# Altium PCB 应变片击打感应模块（串联版）.PcbDoc
Units mil, origin at the board's own origin, x right, y up, seen from the top; angles counter-clockwise.
Board outline 2145 x 2375 mil, 2 copper layers (Top Layer, Bottom Layer); 36 components, 20 nets, 102 pads, 292 vias.
Unrouted connection lines stored in the file: 18.
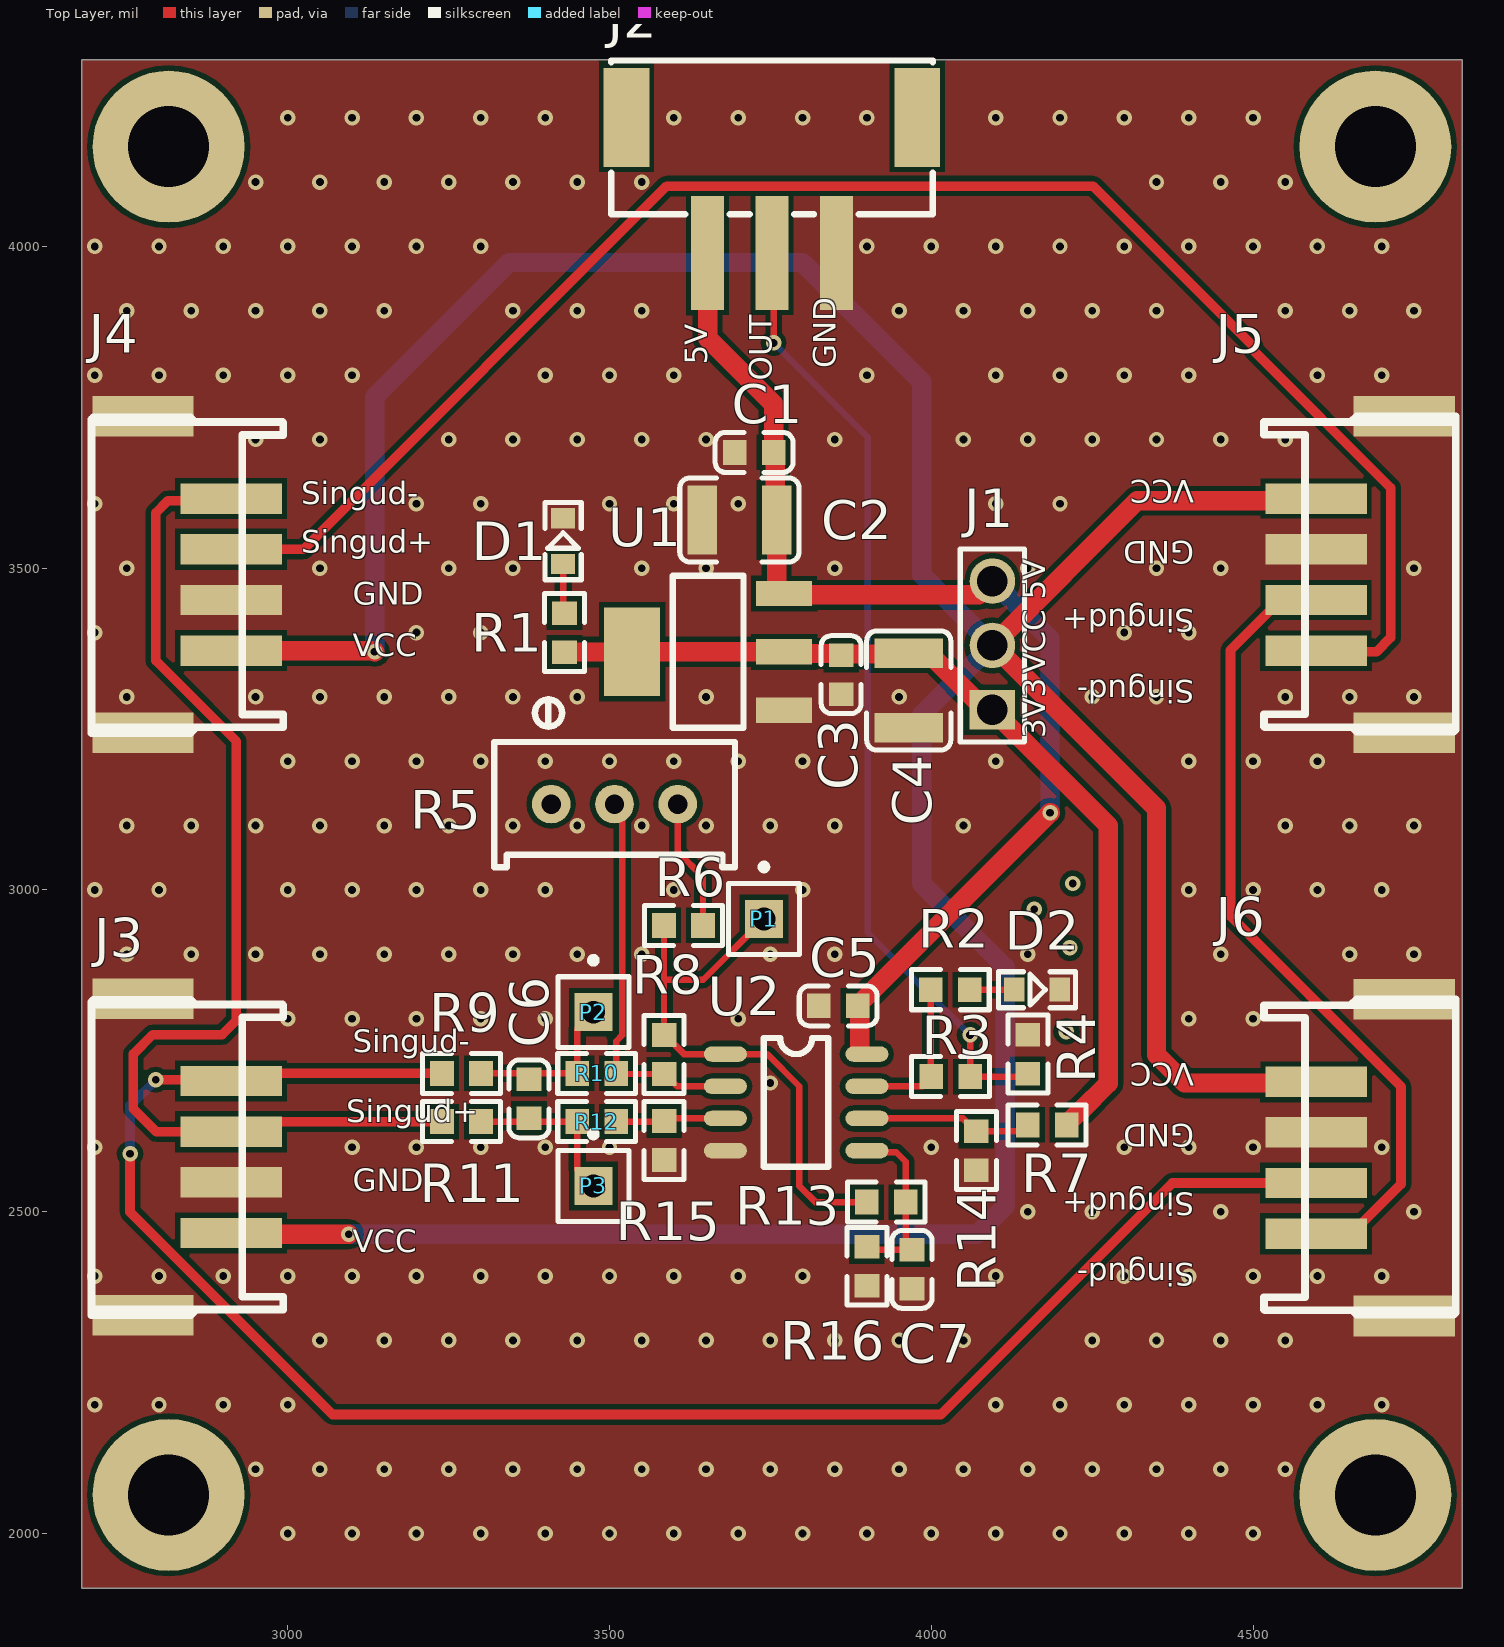
[diagram p0: Top Layer view]
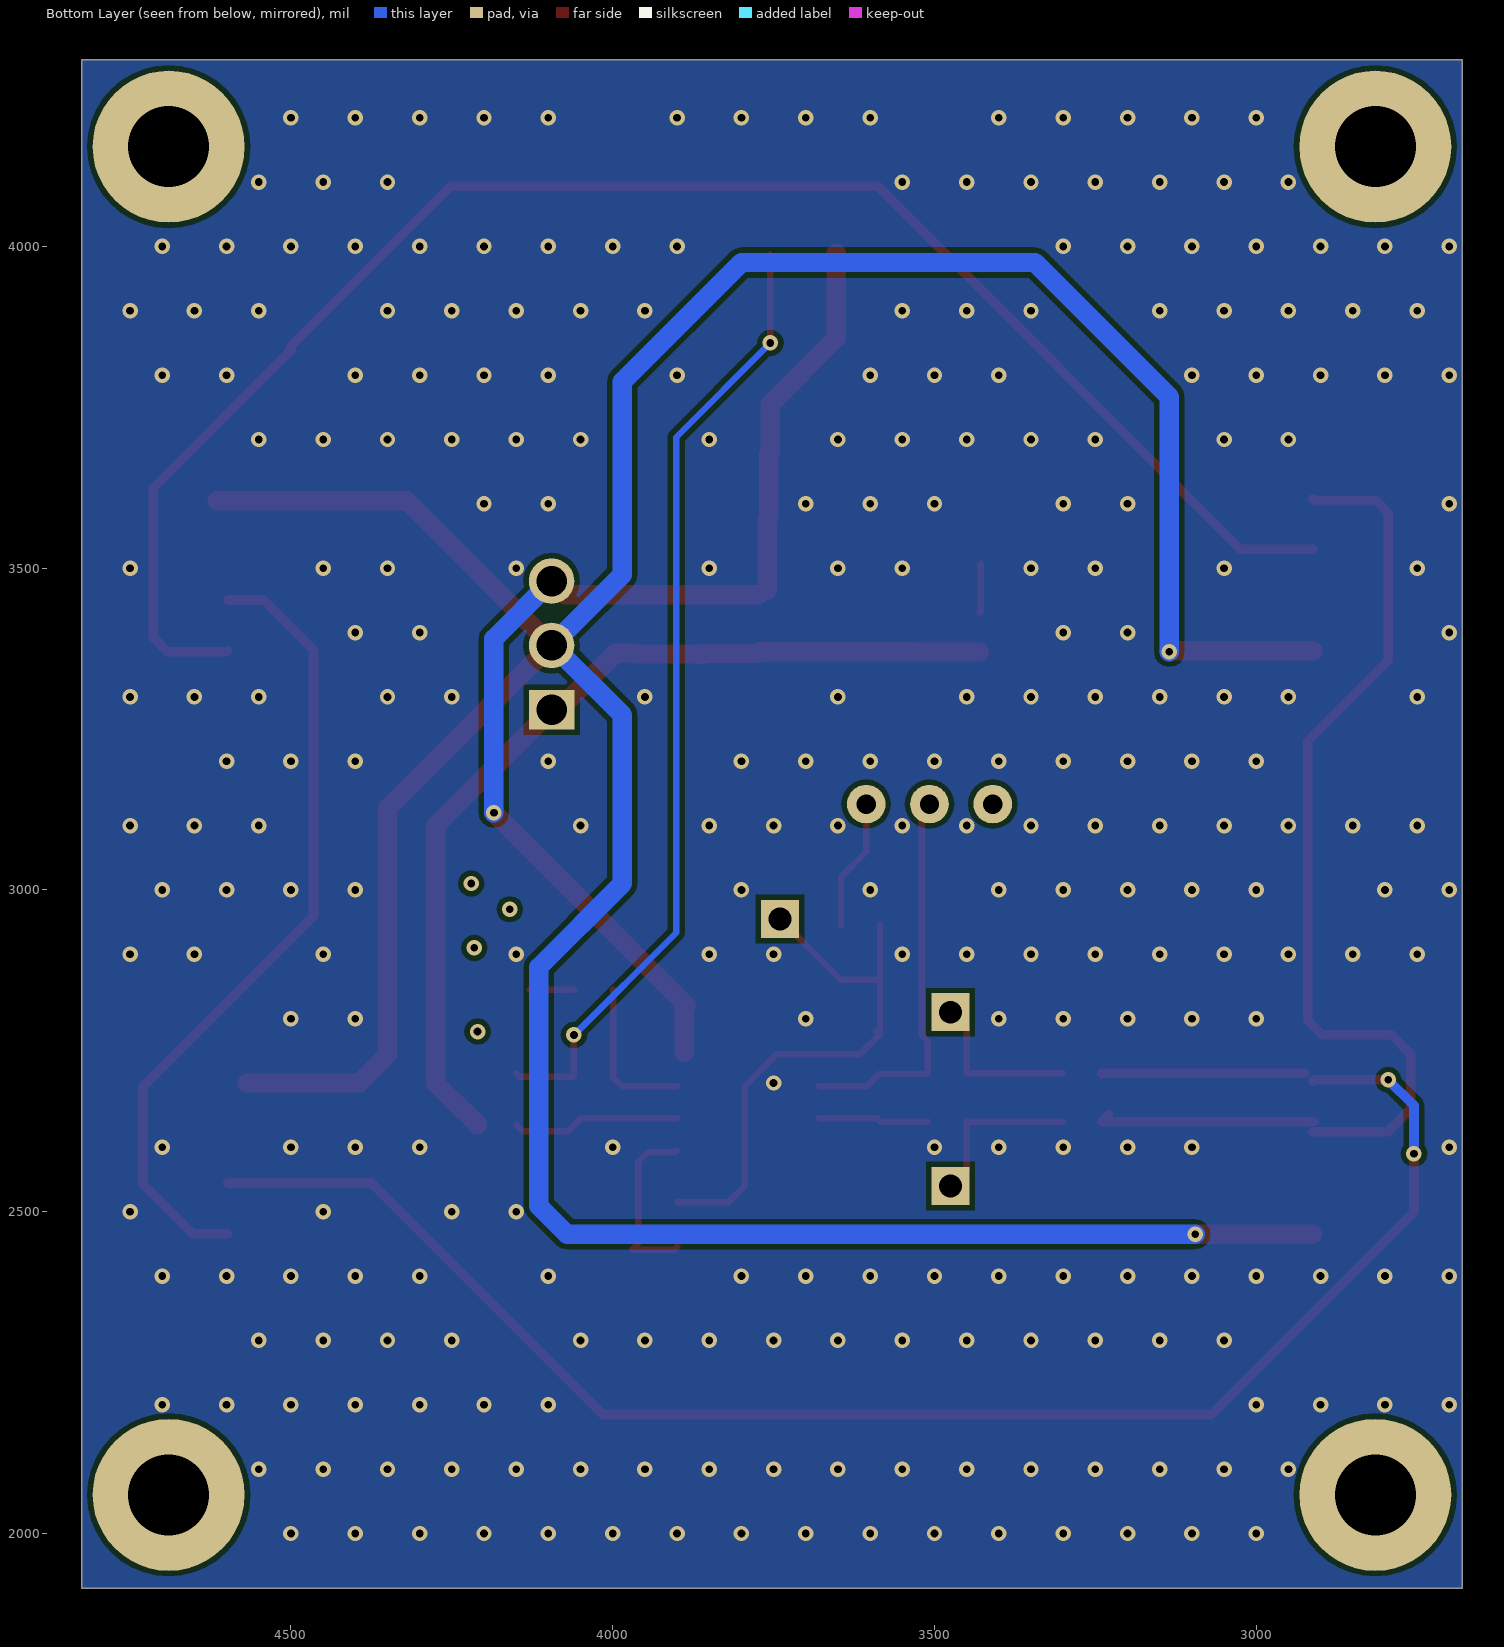
[diagram p1: Bottom Layer view, seen from below]
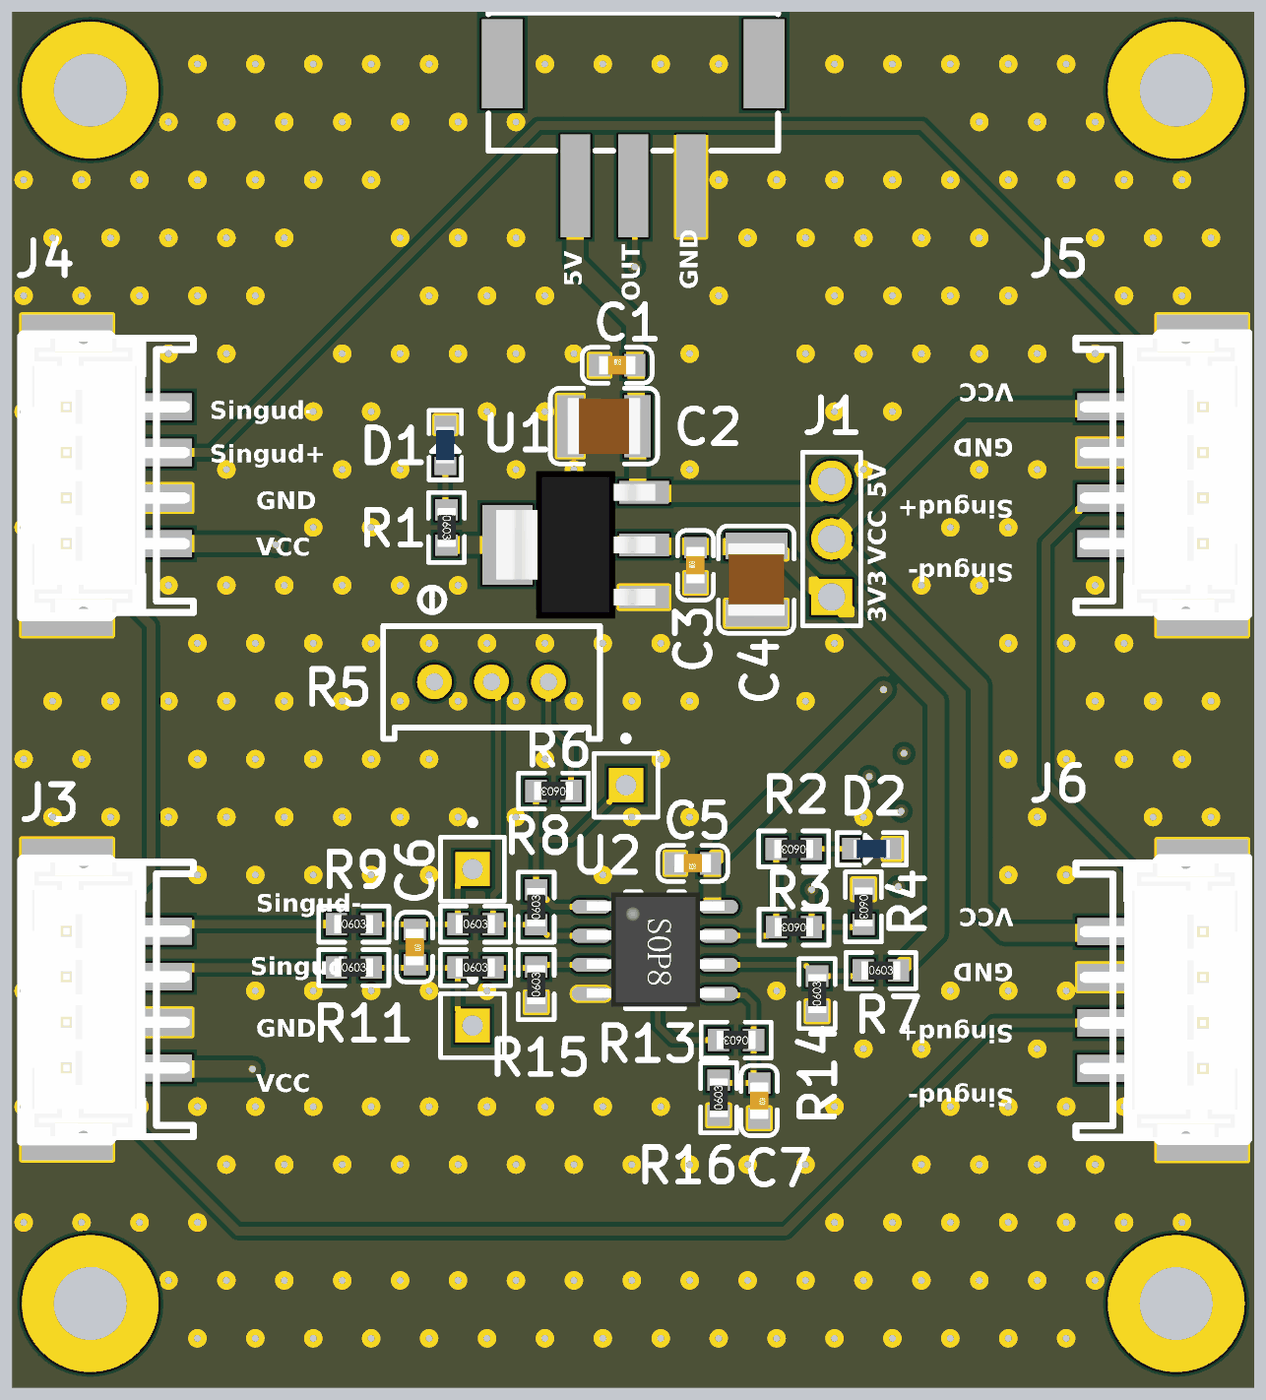
[diagram p2: 3D render of the assembled board from above, using the file's embedded part models]

## Layer stack, top to bottom
Top Solder: solder mask 0.4, Solder Resist, Dk 3.5
Top Layer: signal copper 1.4
Dielectric 1: dielectric 12.6, FR-4, Dk 4.8
Bottom Layer: signal copper 1.4
Bottom Solder: solder mask 0.4, Solder Resist, Dk 3.5

## Board outline
2680,1915 2680,4290 4825,4290 4825,1915

## Design rules (kind name [scope] priority, off if disabled: settings)
Clearance [All] p1: gap=8 ignorepadtopadclearanceinfootprint=FALSE
PlaneConnect [All] p1: planeconnectstyle=Direct reliefexpansion=20 reliefentries=4 reliefconductorwidth=10 reliefairgap=10
PolygonConnect [All] p1: connectstyle=Direct reliefconductorwidth=10 reliefentries=4 polygonreliefangle="90 Angle" airgapwidth=10
RoomDefinition 应变片击打感应1 [InComponentClass('应变片击打感应1')] p1: confinementstyle=ConfineIn formatcopy=TRUE lockcomponents=FALSE outline 0,0 2000,0 2000,1000 0,1000
RoutingVias [All] p1: holewidth=28 width=50 viastyle="Through Hole" minholewidth=28 minwidth=50 maxholewidth=28 maxwidth=50
SolderMaskExpansion [All] p1: expansion=4 istentingtop=FALSE
Width [All] p1: maxlimit=100 minlimit=8 preferedwidth=10
29 further rules are at their usual default settings.

## Components (designator, comment, footprint, x,y, rotation, side; value= is the part's Value field where it differs from the comment)
C1 "10uF" 0603_C 3725,3680 r0 top
C2 "10uF" 1210_C 3701.93,3575 r0 top
C3 "10uF" 0603_C 3860,3335 r90 top
C4 "10uF" 1210_C 3965,3310 r90 top
C5 "100nF" 0603_C 3855,2820 r180 top
C6 "?uF" 0603_C 3375,2675 r270 top
C7 "?uF" 0603_C 3970,2410 r270 top
D1 "LED0" LED-0603 3430,3540 r90 top
D2 "LED0" LED-0603 4162.25,2843 r0 top
J1 "HEADER1x3" "排针排母 3P 2.54mm" 4095,3380 r90 top
J2 "PH 3P" "XH 3P 2.54mm 立 贴" 3752.5,4095 r0 top
J3 "HEADER1x4" "PH 4P 2mm 卧 贴" 2880,2585 r90 top
J4 "HEADER1x4" "PH 4P 2mm 卧 贴" 2880,3490 r90 top
J5 "HEADER1x4" "PH 4P 2mm 卧 贴" 4630,3490 r270 top
J6 "HEADER1x4" "PH 4P 2mm 卧 贴" 4630,2583.97 r270 top
P1 "Plug" PIN1 3740,2955 r0 top
P2 "Plug" PIN1 3475,2810 r0 top
P3 "Plug" PIN1 3475,2540 r0 top
R1 "1K" 0603_R 3430,3400 r270 top
R2 "1K" 0603_R 4029.69,2845 r180 top
R3 "1K" 0603_R 4030,2710 r180 top
R4 "3K" 0603_R 4150,2745 r270 top
R5 "20K" 3296X 3505,3135 r90 top
R6 "100K" 0603_R 3615,2945 r180 top
R7 "1K" 0603_R 4180,2635 r0 top
R8 "348K" 0603_R 3585,2744.33 r90 top
R9 "100R" 0603_R 3270,2715 r0 top
R10 "1K" 0603_R 3480,2715 r0 top
R11 "100R" 0603_R 3270,2640 r0 top
R12 "1K" 0603_R 3480,2640 r0 top
R13 "60R" 0603_R 3930,2515 r180 top
R14 "1K" 0603_R 4070,2595 r90 top
R15 "750K" 0603_R 3585,2610.67 r90 top
R16 "1K" 0603_R 3900,2415.31 r90 top
U1 "AMS1117" AMS1117 3514.11,3496 r270 top
U2 "LM358" SOP-8 3681,2746 r0 top

## Footprints (in the part's own frame and the unit in brackets; to place one, negate y for a bottom-side part, rotate by r counter-clockwise, add the part's x,y. Pads: shape width x height; smd on the part's side, far side on the other; paste and mask are expansions set on the pad)
0603_C [mm] "SMD, 0603"
  rect 0.93x0.98 smd: 1(-0.778,0) 2(0.762,0)
  silkscreen extent -1.54,-0.79 1.53,0.79, body extent -0.81,-0.4 0.79,0.4, height 0.3
0603_R [mm] "SMD, 0603"
  rect 0.93x0.98 smd: 1(-0.77,0) 2(0.77,0)
  silkscreen extent -1.53,-0.79 1.54,0.79, body extent -0.85,-0.4 0.85,0.4, height 0.56
1210_C [mm] "SMD, 1210"
  rect 1.16x2.72 smd: 1(-1.475,0) 2(1.475,0)
  silkscreen extent -2.35,-1.66 2.36,1.66, body extent -1.6,-1.25 1.6,1.25, height 1.3
3296X [mil]
  round 60 hole 30: 1(-1.57,95.64) 2(-1.57,-2.78) 3(-1.57,-101.21)
  silkscreen extent -100,-190 161,184
AMS1117 [mm]
  rect 1x2.2 smd: 1(5.5,6.531) 2(3.2,6.531) 3(0.9,6.531)
  rect 3.5x2.2 smd: 2(3.2,0.531)
  silkscreen extent 0.2,2.13 6.2,4.93, body extent -0.04,0.04 6.44,7.02, height 1.64
LED-0603 [mm]
  rect 0.8x0.95 smd: 1(-0.849,0.051) 2(0.951,0.051)
  silkscreen extent -1.47,-0.66 1.57,0.76, body extent -0.75,-0.34 0.85,0.46, height 0.8
"PH 4P 2mm 卧 贴" [mm]
  rect 1.6x4 smd: 0(-6.248,2.667) 0(6.248,2.667)
  rect 1.2x4 smd: 1(-3,-0.813) 2(-1,-0.813) 3(1,-0.813) 4(3,-0.813)
  silkscreen extent -6.25,-2.87 6.2,4.7, body extent -6,-2.7 6,4.7, height 6.5
PIN1 [mm] "Connector; Plug"
  rect 1.5x1.5 hole 0.9: 1(0,0)
  silkscreen extent -1.4,-1.4 1.4,2.17
SOP-8 [mil]
  oval 66.93x24 smd: 1(-1,-1) 2(-1,-51) 3(-1,-101) 4(-1,-151) 5(219,-151) 6(219,-101) 7(219,-51) 8(219,-1)
  silkscreen extent 59,-176 159,24, body extent -9,-174 229,24, height 63
"XH 3P 2.54mm 立 贴" [mm]
  rect 1.3x4.5 smd: 1(-2.54,-2.675) 2(0,-2.675) 3(2.54,-2.675)
  rect 1.8x3.9 smd: 4(-5.741,2.675) 5(5.741,2.675)
  silkscreen extent -6.35,-1.13 6.35,4.93
"排针排母 3P 2.54mm" [mm]
  rect 1.575x1.8 hole 1.2: 1(-2.54,0)
  round 1.8 hole 1.2: 2(0,0) 3(2.54,0)
  silkscreen extent -3.81,-1.27 3.81,1.27

## Part data
C1 C2 C3 C4 C5 C6 C7: library part Cap, LatestRevisionDate=17-Jul-2002, LatestRevisionNote="Re-released for DXP Platform.", PackageReference=RAD-0.3, Published=8-Jun-2000, Publisher="Altium Limited"
R1 R2 R3 R4 R6 R7 R8 R9 R10 R11 R12 R13 R14 R15 R16: library part Res, LatestRevisionDate=17-Jul-2002, LatestRevisionNote="Re-released for DXP Platform.", PackageReference=AXIAL-0.4, Published=8-Jun-2000, Publisher="Altium Limited"
R5: library part 精密可调电阻20K
U1: "线性稳压3.3V-5V 1A"
U2: BOM_Manufacturer="BLUE ROCKET", BOM_Manufacturer Part=LM358, BOM_Supplier=LCSC, BOM_Supplier Part=C328566, Contributor=LCSC, spicePre=U, spiceSymbolName=LM358
D1 D2: LatestRevisionDate=08-Jul-2005, LatestRevisionNote="Mech Layer 1 removed.", PackageReference=LED-0, Published=8-Jun-2000, Publisher="Altium Limited"
P1 P2 P3: LatestRevisionDate=17-Jul-2002, LatestRevisionNote="Re-released for DXP Platform.", Publisher="Altium Limited"

## Free pads (board coordinates)
  round 236.22 hole 125.98: 2(2815,2060) 2(2815,4155) 2(4690,2060) 2(4690,4155)

## Via types
v1: diameter 24, hole 12, Top Layer to Bottom Layer, 292 vias

## Nets (pads, with @x,y where several pads share a name; then routed paths per layer and width w, separated by ;. In a path a pad name is that pad's centre, name@x,y a point inside that pad or via, vN(x,y) a via of type N, cw(c..) or ccw(c..) an arc to the next point about the centre after c; other vN are vias at no path point)
GND: C1.1 C2.1 C3.1 C4.1 C5.2 C7.2 D1.2 D2.2 J2.3 J3.0 J3.2 J4.0 J4.2 J5.0 J5.2 J6.0 J6.2 R4.1 R14.1 R15.1 R16.1 U1.1 U2.4
  other v1: 3000,2000 3100,2000 3200,2000 3300,2000 3400,2000 3500,2000 3600,2000 3700,2000 3800,2000 3900,2000 4000,2000 4100,2000 4200,2000 4300,2000 4400,2000 4500,2000 2950,2100 3050,2100 3150,2100 3250,2100 3350,2100 3450,2100 3550,2100 3650,2100 3750,2100 3850,2100 3950,2100 4050,2100 4150,2100 4250,2100 4350,2100 4450,2100 4550,2100 2700,2200 2800,2200 2900,2200 3000,2200 4100,2200 4200,2200 4300,2200 4400,2200 4500,2200 4600,2200 4700,2200 3050,2300 3150,2300 3250,2300 3350,2300 3450,2300 3550,2300 3650,2300 3750,2300 3850,2300 3950,2300 4050,2300 4250,2300 4350,2300 4450,2300 4550,2300 2700,2400 2800,2400 2900,2400 3000,2400 3100,2400 3200,2400 3300,2400 3400,2400 3500,2400 3600,2400 3700,2400 3800,2400 4100,2400 4300,2400 4400,2400 4500,2400 4600,2400 4700,2400 4150,2500 4250,2500 4450,2500 4750,2500 2700,2600 3100,2600 3200,2600 3300,2600 3400,2600 3500,2600 4000,2600 4300,2600 4400,2600 4500,2600 4700,2600 3750,2700 3000,2800 3100,2800 3200,2800 3300,2800 3400,2800 3700,2800 4400,2800 4500,2800 2750,2900 2850,2900 2950,2900 3050,2900 3150,2900 3250,2900 3350,2900 3450,2900 3550,2900 3750,2900 3850,2900 4150,2900 4450,2900 4650,2900 4750,2900 2700,3000 2800,3000 3000,3000 3100,3000 3200,3000 3300,3000 3400,3000 3600,3000 3800,3000 4400,3000 4500,3000 4600,3000 4700,3000 2750,3100 2850,3100 2950,3100 3050,3100 3150,3100 3250,3100 3350,3100 3450,3100 3550,3100 3650,3100 3750,3100 3850,3100 4050,3100 4550,3100 4650,3100 4750,3100 3000,3200 3100,3200 3200,3200 3300,3200 3400,3200 3500,3200 3600,3200 3700,3200 3800,3200 4100,3200 4400,3200 4500,3200 4600,3200 2750,3300 2950,3300 3050,3300 3150,3300 3250,3300 3350,3300 3450,3300 3650,3300 3950,3300 4250,3300 4350,3300 4550,3300 4650,3300 4750,3300 2700,3400 3200,3400 3300,3400 4300,3400 4400,3400 2750,3500 3050,3500 3250,3500 3350,3500 3550,3500 3650,3500 3850,3500 4150,3500 4350,3500 4450,3500 4750,3500 2700,3600 3200,3600 3300,3600 3500,3600 3600,3600 3700,3600 4100,3600 4200,3600 2950,3700 3050,3700 3250,3700 3350,3700 3450,3700 3550,3700 3650,3700 3850,3700 4050,3700 4150,3700 4250,3700 4350,3700 4450,3700 4550,3700 2700,3800 2800,3800 2900,3800 3000,3800 3100,3800 3400,3800 3500,3800 3600,3800 3900,3800 4100,3800 4200,3800 4300,3800 4400,3800 4600,3800 4700,3800 2750,3900 2850,3900 2950,3900 3050,3900 3150,3900 3350,3900 3450,3900 3550,3900 3950,3900 4050,3900 4150,3900 4250,3900 4350,3900 4550,3900 4650,3900 4750,3900 2700,4000 2800,4000 2900,4000 3000,4000 3100,4000 3200,4000 3300,4000 3900,4000 4000,4000 4100,4000 4200,4000 4300,4000 4400,4000 4500,4000 4600,4000 4700,4000 2950,4100 3050,4100 3150,4100 3250,4100 3350,4100 3450,4100 3550,4100 4350,4100 4450,4100 4550,4100 3000,4200 3100,4200 3200,4200 3300,4200 3400,4200 3600,4200 3700,4200 3800,4200 3900,4200 4100,4200 4200,4200 4300,4200 4400,4200 4500,4200
NetC6_1: C6.1 P2.1 R9.2 R10.1 | length 219.1
  Top Layer w10: R9.2 R10.1 P2.1@3449.69,2784.69
NetC6_2: C6.2 P3.1 R11.2 R12.1 | length 259.9
  Top Layer w10: R11.2 R12.1 3449.69,2565.31 P3.1
NetC7_1: C7.1 R13.1 R16.2 U2.5 | length 280.6
  Top Layer w10: R16.2 3905,2440.63 C7.1 3960.31,2450.32 R13.1 3960.31,2577.68 3945.67,2592.32 3902.68,2592.32 U2.5
NetD1_1: D1.1 R1.1 | length 77.1
  Top Layer w10: D1.1 3428,3432.31 R1.1
NetD2_1: D2.1 R2.1 | length 68.8
  Top Layer w10: R2.1 D2.1
NetJ4_3: J4.3 J5.4 | length 2592.2
  Top Layer w15: J4.3 3024.37,3529.37 3588.77,4093.77 4251.23,4093.77 4499.92,3845.08 4499.92,3838.92 4713.84,3625 4713.84,3391.97 4691.88,3370 4599.89,3370 J5.4
NetJ5_3: J5.3 J6.4 | length 1268.9
  Top Layer w15: J6.4 4653.12,2465.85 4730,2542.74 4730,2694.36 4588.3,2836.06 4465,2959.36 4465,3372.75 4542.88,3450.63 J5.3
NetR5_2: R5.2 R8.1 R10.2 U2.2 | length 600.2
  Top Layer w10: R5.2@3519.53,3133.43 3519.53,2774.26 3510.32,2765.05 R10.2 3511.3,2714.02 R8.1 3585.98,2714.02 3605,2695 U2.2
NetR5_3: R5.3 R6.1 | length 204.6
  Top Layer w10: R5.3 3606.21,3059.15 3645.31,3020.04 R6.1
NetR7_1: R7.1 R14.2 U2.6 | length 261.9
  Top Layer w10: U2.6 4049.33,2645 4069.02,2625.32 R14.2 4140,2625.32 R7.1
NetR12_2: R12.2 R15.2 U2.3 | length 171.8
  Top Layer w10: R12.2 3584.02,2640 R15.2 3589.02,2645 U2.3
OUT1: P1.1 R6.2 R8.2 R13.2 U2.1 | length 887.2
  Top Layer w10: R6.2 3584.68,2860.47 ; R8.2@3591.21,2780.85 R8.2 R8.2@3585.98,2774.65 ; P1.1 3645.47,2860.47 3584.68,2860.47 ; R13.2 3820,2515 3795,2540 3795,2695 3745,2745 U2.1 3615.63,2745 R8.2@3585.98,2774.65 ; 3584.68,2860.47 3584.68,2775.95 3585.49,2775.14 R8.2@3585.98,2774.65
OUT2: R2.2 R3.2 U2.7 | length 241.6
  Top Layer w10: U2.7 3985.67,2695 3999.68,2709.02 R3.2 3999.37,2710.31 R2.2
Singnd+: J3.3 J4.4 R11.1 | length 1744.5
  Top Layer w15: J3.3@2910,2640 R11.1 R11.1@3229.48,2650.21 ; J3.3 2795.63,2624.37 2760,2660 2760,2745 2790,2775 2898.03,2775 2920,2796.97 2920,3231.16 2795,3356.16 2795,3586.14 2813.49,3604.63 2908.52,3604.63 J4.4
Singnd-: J3.4 J6.3 R9.1 | length 2777.8
  Top Layer w15: v1(2755,2590) 2755,2499.61 3069.61,2185 4015,2185 4374.59,2544.59 J6.3 ; v1(2795,2705) 2910.11,2705 J3.4 ; J3.4@2924.92,2715 R9.1 R9.1@3239.69,2714.02
  Bottom Layer w15: v1(2755,2590) 2755,2665 v1(2795,2705)
SOUT: J2.2 R3.1 R4.2 | length 1495.3
  Top Layer w10: v1(3755,3850) J2.2@3755,3987.18 ; v1(4060.31,2774.69) R3.1 4145.32,2710 R4.2
  Bottom Layer w10: v1(3755,3850) 3901.32,3703.68 3901.32,2933.68 v1(4060.31,2774.69)
VCC_3V3: C3.2 C4.2 J1.1 R1.2 R7.2 U1.2 | length 1454.5
  Top Layer w30: R1.2 3534.68,3369.68 3535,3370 3771.22,3370 3773.72,3367.5 3857.5,3367.5 C3.2 3861.54,3366.54 3963.46,3366.54 C4.2 3995.71,3368.07 4067.78,3296 4079,3296 J1.1 4099.43,3280 4115.43,3264 4115.43,3259.57 4275,3100 4275,2699.68 4231.07,2655.75 4230.08,2655.75 4210.32,2635.98 R7.2
VCC_5V0: C1.2 C2.2 C5.1 J1.3 J2.1 U1.3 U2.8 | length 1784.2
  Top Layer w30: J2.1 3652.5,3857.5 3755,3755 C1.2 ; C2.2@3757.5,3577.5 C1.2@3757.5,3677.5 ; U1.3@3760,3465.24 C2.2 ; U1.3 3772.92,3458.85 4073.85,3458.85 J1.3 ; C5.1@3885.63,2820.98 v1(4184.65,3120) v1@4185,3120 ; U2.8@3888.94,2748 C5.1@3888.94,2816.69
  Bottom Layer w30: J1.3 4184.65,3390.35 v1(4184.65,3120)
VCC_IN: J1.2 J3.1 J4.1 J5.1 J6.1 | length 5872.5
  Top Layer w30: J4.1 3133.11,3371.89 v1(3135,3370) ; J3.1@2912.85,2465 v1(3095,2465) ; J6.1@4567.87,2700 4393.93,2700 4350,2743.93 4350,3126.79 4096.79,3380 J1.2 4320,3605 J5.1@4615,3605
  Bottom Layer w30: v1(3095,2465) 4071.07,2465 4115,2508.93 4115,2880 3985,3010 3985,3271.79 4093.21,3380 J1.2 3985,3490 3985,3790 3800,3975 3343.93,3975 3135,3766.07 v1(3135,3370)
pads on no net: J2.4 J2.5 R5.1
copper on no net:
  other v1: 4210,2780 4215,2910 4160,2970 4220,3010

## Polygon pours and split planes (outlines as drawn)
GND on Top Layer "GND_L01_P000" (solid, pour order 0): 2680,1915 2680,4290 4825,4290 4825,1915
GND on Bottom Layer "GND_L02_P001" (solid, pour order 1): 2680,1915 2680,4290 4825,4290 4825,1915

## Silkscreen, mask and mechanical layers (free items; w line width, h text height)
Top Overlay:
  text "5V" at 3663.45,3816 h60 r90
  text "GND" at 3863.45,3811.06 h60 r90
  text "OUT" at 3763.44,3791.06 h60 r90
  text "VCC" at 4409,3648.45 h60 r180
  text "Singud-" at 3021.06,3587.49 h60
  text "GND" at 4408.94,3553.45 h60 r180
  text "Singud+" at 3021.06,3512.49 h60
  text "5V" at 4188.44,3451 h60 r90
  text "Singud+" at 4408.94,3447.51 h60 r180
  text "GND" at 3101.06,3431.55 h60
  text "VCC" at 3101,3351.55 h60
  text "Singud-" at 4408.94,3337.51 h60 r180
  text "VCC" at 4188.44,3336 h60 r90
  text "3V3" at 4188.44,3236 h60 r90
  text "VCC" at 4409,2742.41 h60 r180
  text "Singud-" at 3101.06,2736.45 h60
  text "GND" at 4408.94,2647.41 h60 r180
  text "Singud+" at 3091.06,2627.49 h60
  text "Singud+" at 4408.94,2541.48 h60 r180
  text "GND" at 3101.06,2520.52 h60
  text "Singud-" at 4408.94,2431.48 h60 r180
  text "VCC" at 3101,2425.52 h60
Mechanical 1:
  the board outline again, w10